# Altium PCB NumPad.PcbDoc (part 2 of 2)
Units mil, origin at the board's own origin, x right, y up, seen from the top; angles counter-clockwise.
Board outline 3157.48 x 3907.56 mil, 2 copper layers (Top Layer, Bottom Layer), stack 61.756 mil thick; 124 components, 83 nets, 462 pads, 233 vias.
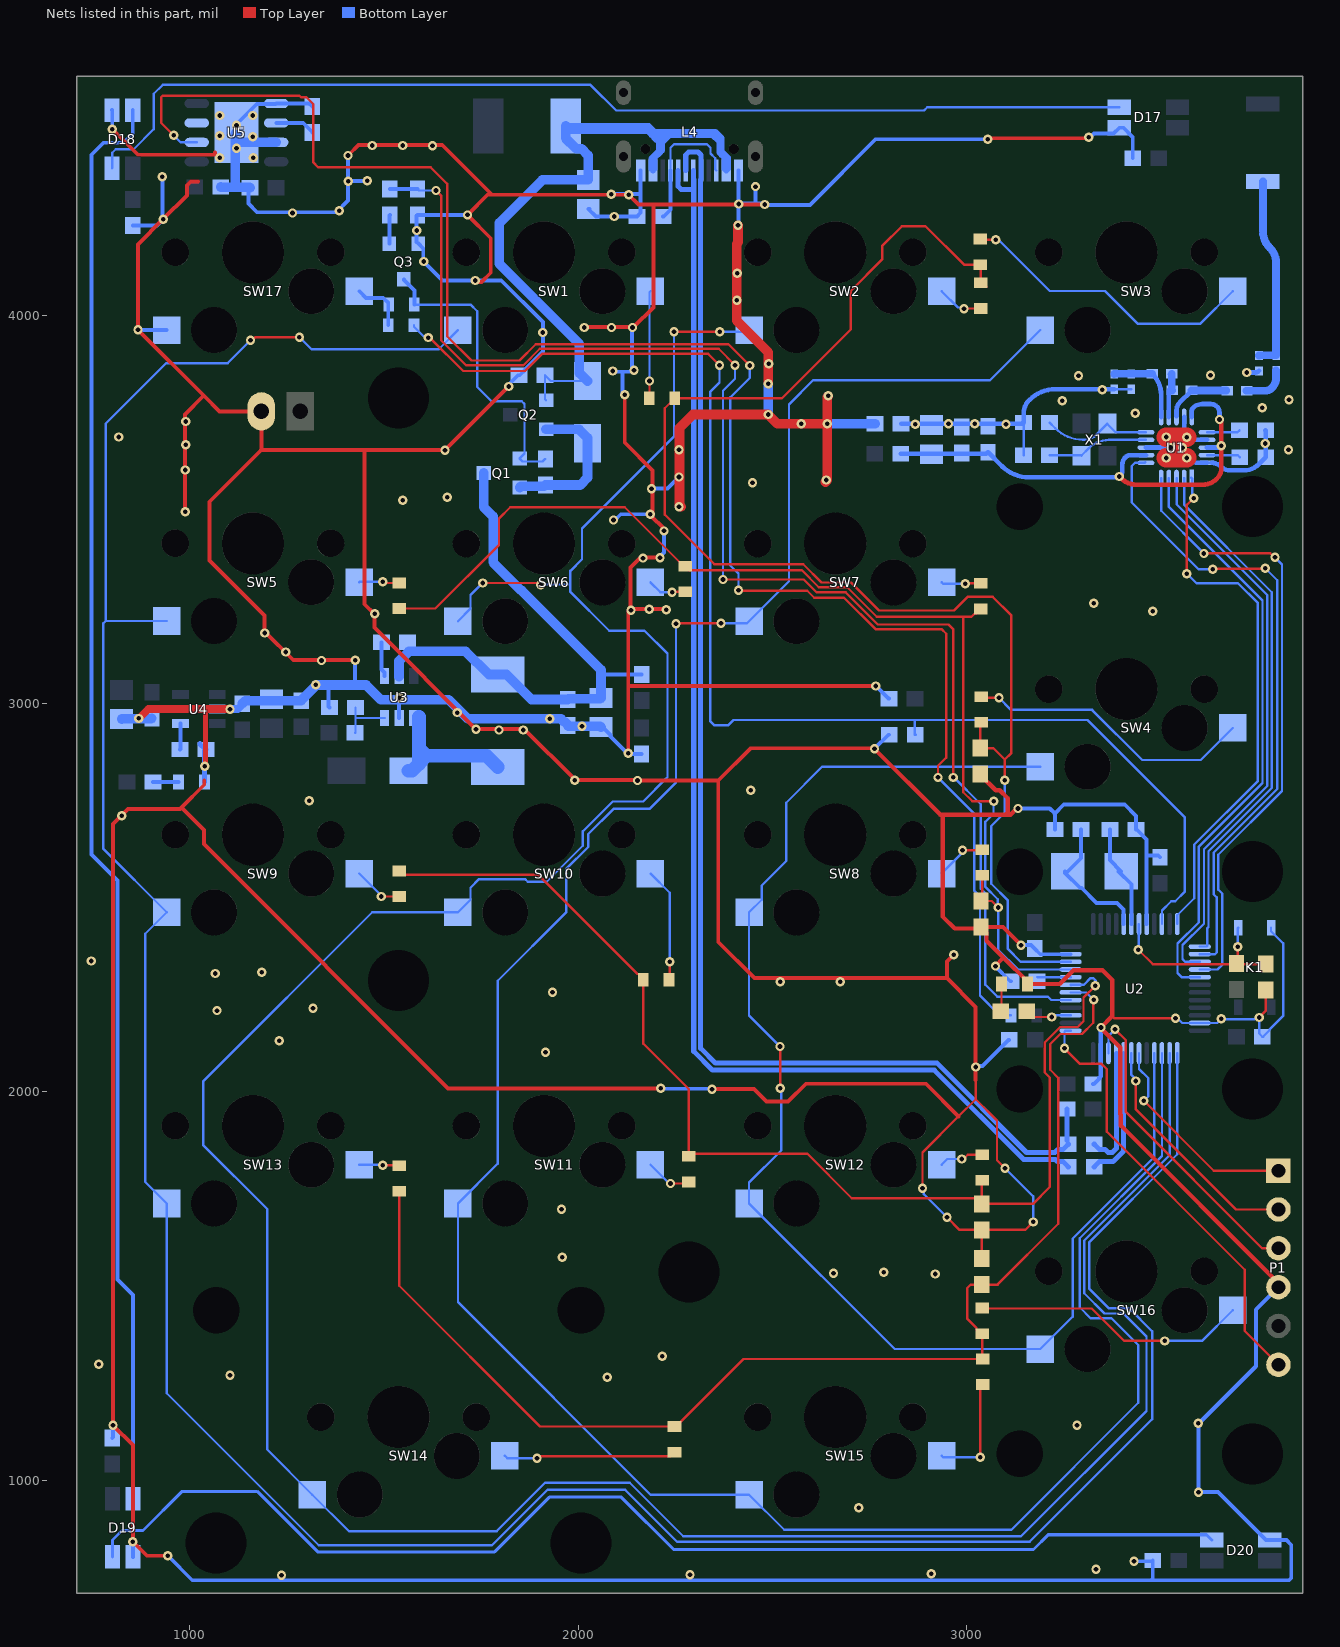
[diagram p2: the nets of this part, all layers, seen from the top]

## Via types
v1: diameter 24, hole 12, Top Layer to Bottom Layer, tented both sides, 231 vias
v2: diameter 36, hole 18, Top Layer to Bottom Layer, tented both sides, 2 vias

## Nets (pads, with @x,y where several pads share a name; then routed paths per layer and width w, separated by ;. In a path a pad name is that pad's centre, name@x,y a point inside that pad or via, vN(x,y) a via of type N, cw(c..) or ccw(c..) an arc to the next point about the centre after c; other vN are vias at no path point) (continued)
GND: C11.1 C12.1 C13.1 C14.1 C15.1 C16.1 C17.1 C18.2 C19.2 C20.1 C21.1 C22.1 C23.1 C24.1 C25.1 C26.1 C27.1 C28.1 C29.1 C30.1 C31.1 C32.2 C33.1 C34.1 C35.2 C36.1 C37.1 C38.1 C39.1 D17.1 D18.1 D19.1 D20.1 K1.4 L4.A1B12 L4.B1A12 P1.4 POWER.2 Q3.2 R3.1 R4.2 R11.1 R12.1 R13.2 R17.1 R19.2 R20.2 SW17.2 SYSTEM.2 U2.8 U2.23 U2.35 U2.47 U3.2 U4.2 U5.1 U5.3 U5.9 XH1.2 | length 32452.1
  Top Layer w6: v1(2887,1752) 2887,1844 2980,1937 3024,1981 ; v1(2950,1677) 2982.46,1644.54 C20.1@3040,1644.54 ; 3024,2031 3024,1981 ; C21.1@3040,1570.46 C20.1@3040,1644.54 ; C20.1@3041,1643.54 C20.1@3040,1644.54 ; v1(3099.66,1803.23) 3079,1823.89 3079,1926 3024,1981 ; v1(3172,1665) 3151.54,1644.54 C20.1@3040,1644.54 ; 3376,2195 3381,2190 v1(3539,2190) ; v1(3754.3,2191.5) 3771,2208.2 C17.1@3771,2262.54
  Top Layer w10: v1(799.95,4480) 865.95,4414 1065,4414 1065,4420 ; v1(943,805) 889,805 v1(853,841) 853,1090 v1(802,1141) 802,2689.87 823.57,2711.43 840.34,2728.21 974.21,2728.21 978.5,2732.5 ; v1@987,3490 987,3745 1035.6,3793.6 ; 1021,4345 1002,4345 992,4335 992,4309 v1(931,4248) 866.24,4183.24 v1(866.24,3962.95) 1035.6,3793.6 ; 1037,2802 1037,2791 978.5,2732.5 ; 1183,3653 1447,3653 ; v1@1409,4412 1409,4414 1434,4439 1650,4439 1778,4311 ; v1(1426,3112) 1266,3112 1192,3186 1192,3227 1050,3369 1050,3520 1184,3654 XH1.2@1184,3753 1076.19,3753 1035.6,3793.6 ; v1(1735,4090) 1739,4086 1751,4086 1775,4110 1775,4199 v1(1715,4259) 1767,4311 1778,4311 ; v1(1821,3817.03) v1(1657,3653) 1447,3653 ; v1@2013,3970 2143,3970 2194,4021 2194,4286 ; v1(2120,3796) 2120,3673 2192,3601 2192,3480 v1@2217,3455 ; v1(2129,2872) 2129,3050 ; v1(2153,2802) 2361,2802 ; v1@2155,2803 1993,2803 1861,2935 1736,2935 1475,3196 1475,3231 1450,3256 1450,3650 1447,3653 ; v1@2212,3375 v1(2211,3376) 2210,3377 2161,3377 2134.86,3350.86 v1@2134.86,3244 ; v1(2213,2009) 1665,2009 1036,2638 1036,2675 978.5,2732.5 ; v1@2229,3244 v1@2134.86,3244 ; v1(2345,2007) 2453,2007 2485,1975 2541,1975 2587,2021 2896,2021 2980,1937 ; v1(2481,4286) 2194,4286 ; v1(2763.59,2883.47) 2762.06,2885 2444,2885 2361,2802 ; v1(2767.01,3045.57) 2133.43,3045.57 2129,3050 ; v1(2967.78,2353.15) 2950,2335.37 2950,2293 ; 3024,2031 v1(3024,2064) 3024,2219 2950,2293 ; C19.2@3038,2424.54 3094.46,2424.54 v1(3141,2378) ; v1(3055,4454) 3057.5,4456.5 3312.5,4456.5 v1(3315,4459) ; v1(3075,2324) 3075,2325 3095.68,2345.68 ; 1778,4311 v1(2130,4311) 2155,4286 2194,4286 ; 2129,3050 2129,3238.14 v1@2134.86,3244 ; 2361,2802 2361,2386 2454,2293 2950,2293
  Top Layer w11: v1(2763.59,2883.47) 2933.06,2714 2939,2714 ; C18.2@3036,2818.54 3036,2816.57 3075.57,2777 3086,2777 3107,2756 3107,2720.44 3100.56,2714 ; v1(3133,2730) 3129.48,2730 3113.48,2714 3100.56,2714 ; P1.4@3804,1497 3804,1507 3398,1913 3398,1940.49 3396.5,1941.99 3396.5,2114.27 3347,2163.77 v1(3347,2166) 3376,2195 3376,2288 3350.56,2313.44 3275.87,2313.44 3240.42,2277.99 SYSTEM.2@3157.46,2277.99 3157.46,2283.9 3095.68,2345.68 3052.19,2389.17 3052.19,2410.35 C19.2@3038,2424.54 3034.46,2421 2970,2421 2939,2452 2939,2714 ; 2939,2714 3100.56,2714
  Top Layer w12: v1(1038,2839) 1040,2841 1040,2986
  Top Layer w20: v1(868,2962) 869.08,2962 893.08,2986 1040,2986 v1(1103,2986)
  Top Layer w25: v1@2265,3507 2261,3511 2261,3710 2296,3745 v1(2490,3745) 2490,3744 2513,3721 v1(2575,3721) v1(2642,3721) ; v1(2412,4232) 2412,4188.33 2408.44,4184.77 2408.44,3986.56 2490,3905 v1(2490,3824) ; v1@2637,3571 2642,3576 v1(2642,3721) ; v1@2644,3792 2642,3790 v1(2642,3721)
  Bottom Layer w6: v1(2887,1752) 2890.44,1748.56 2890.44,1736.56 v1(2950,1677) ; v1(3099.66,1803.23) 3172,1730.89 v1(3172,1665) ; U2.35@3346.42,2099.66 U2.35@3346.71,2099.95 ; v1@3346.71,2165.71 v1(3347,2166) ; v1(3539,2190) 3543.53,2190 3556.12,2177.42 U2.23@3601.34,2177.42 3646.42,2177.42 3656,2187 3741.78,2187 3742.84,2188.05 3750.85,2188.05 v1(3754.3,2191.5) 3754.3,2150.17 C16.1@3762.46,2142 3764.43,2142 3781.12,2158.69 3781.12,2160.65 3816,2195.54 3816,2382.87 3785,2413.87 K1.4@3785,2422.72
  Bottom Layer w10: D18.1@799.43,4528.8 799.95,4528.28 v1(799.95,4480) ; C25.1@800,1108.46 802,1110.46 v1(802,1141) ; v1(853,841) 853,802.77 D19.1@853.57,802.2 ; C23.1@853,4231.54 915.54,4231.54 929,4245 v1(929,4357) v1@926,4360 ; v1(866.24,3962.95) 866.76,3962.43 SW17.2@940.33,3962.43 ; v1(943,805) 1006,742 3476,742 ; U5.9@1120,4471 1120,4492.65 1172.09,4544.74 1221.1,4544.74 U5.1@1222.36,4546 1306.93,4546 R20.2@1315,4537.93 ; C38.1@1154.54,4329 1151,4325.46 1151,4288 1173,4266 1377,4266 1407,4296 v1(1407,4412) ; 1357,3048 1357,2992.54 R17.1@1359.54,2990 ; v1(1408,4346) 1408.5,4346.5 1456.5,4346.5 v1(1457,4347) ; 1425,3048 1425,3111 v1(1426,3112) ; U3.2@1539,2962.87 1539,3006 v1@1543,3010 ; v1(1715,4259) 1586.46,4259 R19.2@1586,4258.54 1585.54,4258.54 1584,4257 v1(1584,4219) 1584,4189.66 Q3.2@1588.4,4185.26 1601.12,4172.54 1601.12,4139.88 v1(1602,4139) 1651,4090 v1(1735,4090) 1802,4090 1909,3983 1909,3907.46 1864.19,3862.65 1864.19,3860.69 1849.5,3846 R13.2@1847.54,3846 1845.57,3846 1823.68,3824.11 1823.68,3819.71 v1(1821,3817.03) ; C26.1@2029.94,4274.6 C26.1@2026,4274.6 2045.6,4255 v1(2093,4255) R11.1@2151.54,4255 2161.09,4264.56 2161.09,4313 ; C29.1@2059,2939.6 2062.94,2939.6 2083.53,2919.01 2083.53,2915.32 2128.31,2870.54 R12.1@2163,2870.54 ; v1(2085,4312) 2086,4313 2161.09,4313 ; v1(2091,3473) 2094.79,3473 2109.79,3488 v1(2186,3488) ; v1@2093,3855 2114,3855 ; v1(2120,3796) 2114,3802 2114,3855 ; v1(2140,3969) 2139,3968 2139,3861 2133,3855 2114,3855 ; L4.A1B12@2161.09,4373.41 2161.09,4313 ; v1(2189,3554) 2230,3554 v1(2260,3584) ; v1(2211,3376) 2211,3379.79 2221,3389.79 v1(2221,3445) ; v1(2213,2009) 2214,2008 2344,2008 v1(2345,2007) ; L4.B1A12@2413.06,4373.41 v1@2413.06,4288 ; v1@2414,4228 2413.06,4228.94 v1@2413.06,4288 ; v1@2454,4339 2457,4336 v1(2457,4332) 2457,4288 ; v1(2481,4286) 2482,4285 v1@2484,4285 ; v1(2763.59,2883.47) 2763.59,2884.02 2799.57,2920 C32.2@2801.54,2920 ; v1(2767.01,3045.57) 2799.58,3013 C27.1@2800.54,3013 ; v1(3024,2064) 3026.68,2066.68 3041.25,2066.68 3108.57,2134 C37.1@3110.54,2134 ; v1(3055,4454) 2766,4454 2597,4285 v1@2484,4285 ; v1(3075,2324) 3075,2323.1 3113.1,2285 R4.2@3115.07,2285 ; v1(3141,2378) 3167,2378 C14.1@3176,2369 3190.42,2354.58 U2.47@3268.66,2354.58 ; C11.1@3228.07,2676 3228,2676.07 3228,2717 3251,2740 3408,2740 3436.93,2711.07 C12.1@3436.93,2676 3438.9,2676 3464.53,2650.37 3464.53,2609 ; v1(3315,4459) 3318.79,4459 3328.53,4468.74 3379.51,4468.74 D17.1@3394.2,4483.43 3404.51,4483.43 3428.54,4459.4 C22.1@3428.54,4405 ; v1(3432,791) 3478.07,791 C24.1@3480.07,793 3480.07,746.07 3476,742 ; U2.8@3464.53,2432.34 3464.53,2609 ; C13.1@3499,2604.46 3494.46,2609 3464.53,2609 ; v1(3598,969) 3648.06,969 3771.49,845.57 D20.1@3781.8,845.57 3824.43,845.57 3837,833 3837,748 3831,742 3476,742 ; v1@2413.06,4288 2457,4288 ; 2457,4288 2481,4288 v1@2484,4285
  Bottom Layer w11: v1(3133,2730) 3215,2730 3228,2717 ; C15.1@3326.46,2020 3328.43,2020 3342.62,2034.19 3342.62,2036.15 3346.42,2039.95 U2.35@3346.42,2099.66 3346.42,2099.93 U2.35@3346.57,2100.09 ; U2.35@3346.71,2099.95 U2.35@3346.57,2100.09 ; v1@3346.71,2165.71 3346.57,2165.57 U2.35@3346.57,2100.09 ; v1(3598,969) 3598,1145 3746,1293 3746,1439 P1.4@3804,1497
  Bottom Layer w12: C36.1@1025.81,2897.65 1025.81,2895.69 1039.5,2882 C36.1@1041.46,2882 1037.46,2877.99 POWER.2@1037.46,2798.01
  Bottom Layer w20: U4.2@1070.24,2986 v1(1103,2986) 1123.04,2986 1135,2997.96 C33.1@1135,2999.93 C33.1@1135,3000.28
  Bottom Layer w25: C34.1@824,2960.6 824.4,2961 900.46,2961 C35.2@902,2962.54 ; C39.1@1079.46,4331 1080.46,4330 1117,4330 ; U5.9@1120,4471 1117,4468 U5.9@1117,4445 ; C33.1@1135,3000.28 1142.19,3007.46 C31.1@1287,3007.46 1287,3009.43 1325.57,3048 1357,3048 1425,3048 1454,3048 1492,3010 1543,3010 1667,3010 1716,2961 1956,2961 1963.85,2953.15 1965.81,2953.15 1973,2945.97 C30.1@1973,2944 1975.2,2941.8 2056.8,2941.8 C29.1@2059,2939.6 ; C38.1@1154.54,4329 1153.54,4330 1117,4330 ; U5.3@1222.36,4446 1118,4446 U5.9@1117,4445 ; v1(2490,3745) v1(2490,3824) ; v1(2642,3721) R3.1@2765.07,3721 ; 1117,4330 U5.9@1117,4445
  other v1: 1236,755 2288,756 2910,759 3334,770 2723,929 3285,1141 3597,1146 2075,1265 1103,1270 765,1298 2217,1319 2920,1531 2658,1533 2787,1535 1959,1574 1957,1698 1916,2102 1230,2132 3657,2188 1069.53,2209.38 1317,2215 1934,2257 2521,2284 2675,2284 1065,2305 1185,2308 746,2337 824,2711 1307,2750 2445,2777 1991,2803 1796,2932 1859,2932 1737,2934 2010,2942 1927,2961 1689,2977 1539,3015 1324,3049 1339,3111 1247,3133 1193,3182 1476,3232 3480,3238 2136,3241 2227,3242 2183,3243 3328,3259 2167,3375 988,3494 2260,3507 1548,3524 1663,3532 2449,3569 2639,3576 988,3602 2260,3654 989,3667 817,3687 989,3727 2644,3793 2089,3857 2144,3859 2491,3876 1909,3956 2016,3969 2086,3969 2409,4039 2410,4109 1264,4264 1385,4270 2414,4287 1077,4406 1163,4406 1120,4431 1625,4437 1470,4438 1548,4438 1162,4460 1077,4463 1120,4490 1077,4515 1162,4515
GPIO_CE_MCU_NRF: U1.1 U2.12 | length 1384.3
  Top Layer w6: v1(3568,3335) 3568,3512 3585.23,3529.23 v1(3585.46,3529.23)
  Bottom Layer w6: U2.12@3543.27,2432.34 3543.27,2454.98 3587,2498.71 3587,2637 3751,2801 3751,3259 3700,3310 3593,3310 v1(3568,3335) ; U1.1@3579.37,3582.26 3582.28,3579.35 3582.28,3532.42 v1(3585.46,3529.23)
GPIO_IRQ_NRF_MCU: U1.6 U2.14 | length 1669.3
  Top Layer w6: v1(3635,3346) 3636.5,3347.5 3768.5,3347.5 v1(3770,3349)
  Bottom Layer w6: U1.6@3461.26,3621.63 3460.15,3620.52 3434.52,3620.52 3426,3612 3426,3518 3598,3346 v1(3635,3346) ; U2.14@3601.34,2354.58 3640.58,2354.58 3645,2359 3645,2501 3637,2509 3637,2616 3801,2780 3801,3318 v1(3770,3349)
GPIO_MCU_LED: R6.2 U2.39 | length 123.4
  Top Layer w6: R6.2@3155.46,2208 3170.46,2193 v1(3220,2193)
  Bottom Layer w6: v1@3216,2197.1 U2.39@3268.66,2197.1
Green: D25.K U5.6 | length 4612.8
  Top Layer w6: v1(958,4464) 926,4496 926,4562.49 929.51,4566 1281.97,4566 1285.97,4562 1300,4562 1318,4544 1318,4394 1330,4382 1620,4382 1663,4339 1663,3946 1725,3884 1849,3884 1891,3926 2387,3926 v1(2442,3871) ; v1@2413.23,3291 2590,3291 2608,3273 2685,3273 2766,3192 2936,3192 2948,3180 2948,2861 2927,2840 v1(2927,2810)
  Bottom Layer w6: v1(958,4464) 976,4446 U5.6@1017.64,4446 ; v1(2413,3292) 2413,3335 2392,3356 2392,3789 2442,3839 v1(2442,3871) ; v1(2927,2810) 3020,2717 3020,2519 3035,2504 3035,2248 3086,2197 D25.K@3115,2197
IN1_KEYPAD_MCU: C21.2 D13.K D14.K D15.K D16.K U2.42 | length 3210.5
  Top Layer w6: D13.K@1539.27,1744 1539.27,1500.73 1902,1138 D14.K@2248,1138 2251.94,1138 2425.94,1312 D15.K@3042,1312 D15.K@3041,1313 ; D15.K@3040,1314 D15.K@3041,1313 ; C21.2@3040,1501.57 C21.2@3040,1503.54 ; C21.2@3040,1505.5 C21.2@3040,1503.54 ; v1(3328,2237) 3327,2236 3327,2178 3298,2149 3242,2149 3216,2123 3216,2057 3237,2036 3237,1660 3080.54,1503.54 C21.2@3040,1503.54 ; C21.2@3040,1503.54 3011.54,1503.54 3002,1494 3002,1416 3026.28,1391.72 3026.28,1387.78 3037.06,1377 D16.K@3041,1377 D15.K@3041,1313
  Bottom Layer w6: U2.42@3268.66,2256.16 3308.84,2256.16 v1(3328,2237)
IN2_KEYPAD_MCU: C20.2 D9.K D10.K D11.K D12.K U2.43 | length 3012.2
  Top Layer w6: D9.K@1539,2569 1549,2559 1898,2559 2153.28,2303.72 2157.22,2303.72 2168,2292.94 D10.K@2168,2289 2168,2124 2285,2007 D11.K@2285,1834 2292,1841 2590,1841 2705,1726 3025.46,1726 C20.2@3040,1711.46 ; D12.K@3041,1772 3040,1771 C20.2@3040,1711.46 ; v1(3332,2273) 3302,2243 3302,2182 3287,2167 3242,2167 3202,2127 3202,2050 3215,2037 3215,1755 3171.46,1711.46 C20.2@3040,1711.46
  Bottom Layer w6: U2.43@3269.77,2274.73 U2.43@3268.66,2275.84 3302.84,2275.84 3320,2293 3327,2293 3333,2287 3333,2274 v1(3332,2273) v1@3330.27,2274.73
IN3_KEYPAD_MCU: C19.1 D5.K D6.K D7.K D8.K U2.45 | length 3057.3
  Top Layer w6: D5.K@1539,3245 1632,3245 1796,3409 1796,3477 1825,3506 2120.06,3506 2272.06,3354 D6.K@2276,3354 2286,3344 2576,3344 2620,3300 2693,3300 2769,3224 2991,3224 ; D7.K@3026.49,3233.22 3035.3,3242.03 D7.K@3037.27,3244 3033.33,3244 3024.52,3235.19 3013.33,3224 2991,3224 ; D8.K@3041.27,2558 3041.27,2494.73 C19.1@3038,2491.46 3065.54,2491.46 v1(3082,2475) ; v1(3071,2749) 3015,2749 2992,2772 2992,3223 2991,3224
  Bottom Layer w6: v1@3070,2747 3070,2717 3049,2696 3049,2528 3081,2496 3081,2476 v1(3082,2475) 3082,2366 3132.79,2315.21 U2.45@3268.66,2315.21
IN4_KEYPAD_MCU: C18.1 D1.K D2.K D3.K D4.K U2.46 | length 3713.5
  Top Layer w6: D4.K@3038.27,2952 3036,2949.73 C18.1@3036,2885.46 3069.54,2885.46 3099,2856 ; D2.K@3051.72,4073.22 3040.94,4084 D2.K@3037,4084 3037,4130 D3.K@3036,4131 2994,4131 2895,4230 2834,4230 2783,4179 2783,4144 2702,4063 2702,3964 2525,3787 D1.K@2249,3787 2223,3761 2223,3487 2351,3359 2580,3359 2627,3312 2703,3312 2775,3240 2968,3240 3003,3275 3068,3275 3116,3227 3116,2873 3099,2856 ; v1(3099,2803) 3099,2856
  Bottom Layer w6: v1(3099,2803) 3099,2720 3064,2685 3064,2536 3107,2493 3107,2368 3140.1,2334.9 U2.46@3268.66,2334.9
NetC1_2: C1.2 U1.19 | length 86.5
  Bottom Layer w6: U1.19@3620.11,3640.06 3699.48,3640.06 C1.2@3704.54,3635
NetC2_1: C2.1 L1.2 | length 117
  Bottom Layer w6: L1.2@3722,3806 ccw(c3722,3808.41) L1.2@3723.71,3806.71
  Bottom Layer w20: L1.2@3722,3806 3770.1,3806 ccw(c3770.1,3829.9) 3787,3813 ccw(c3760.44,3839.56) 3798,3839.56 C2.1@3798,3858.32
NetC2_2: C2.2 C3.2 E1.1 | length 500.7
  Bottom Layer w20: C3.2@3754,3896.69 cw(c3756.42,3894.27) 3756.42,3897.69 C2.2@3798,3897.69 3798,4135.36 ccw(c3743.36,4135.36) 3782,4174 cw(c3825.46,4217.46) 3764,4217.46 E1.1@3764,4345
NetC7_2: C7.2 C8.2 L3.2 U1.11 | length 217.5
  Bottom Layer w6: L3.2@3477.48,3849.37 ccw(c3477.48,3851.52) L3.2@3479,3850
  Bottom Layer w12: L3.2@3479,3850 cw(c3423.47,3794.47) 3502,3794.47 U1.11@3502,3738.48
  Bottom Layer w20: C8.2@3381,3849.37 cw(c3382.52,3847.85) 3382.52,3850 L3.2@3479,3850
NetC9_2: C9.2 U1.9 X1.1 | length 262.6
  Bottom Layer w6: C9.2@3214.46,3640 3293.3,3640 cw(c3293.3,3635.43) X1.1@3296.54,3638.66 cw(c3298.65,3638.66) 3297.15,3640.15 3314.66,3657.66 cw(c3367.17,3605.2) 3367.17,3679.43 ; 3367.22,3679.43 U1.9@3462.63,3679.43
NetC10_2: C10.2 U1.10 X1.3 | length 287.6
  Bottom Layer w6: C10.2@3214.46,3724 3229.18,3709.29 ccw(c3299.89,3780) 3299.89,3680 3305,3680 ccw(c3305,3721.35) 3334.24,3692.11 X1.3@3363.46,3721.34 3363.46,3719.73 3384.09,3699.11 U1.10@3462.63,3699.11
NetC36_2: C36.2 U4.4 | length 67.1
  Bottom Layer w10: C36.2@974.54,2882 975.76,2883.22 U4.4@975.76,2948.6
NetD1_A: D1.A SW1.1 | length 276.8
  Top Layer w6: D1.A@2183,3787 2184,3788 v1(2184,3831)
  Bottom Layer w6: v1(2184,3831) 2184,4060.06 SW1.1@2186.37,4062.43
NetD2_A: D2.A SW2.1 | length 119.8
  Top Layer w6: v1(2993.81,4017.1) 2994.71,4018 D2.A@3037,4018
  Bottom Layer w6: SW2.1@2936.37,4062.43 2978.26,4020.55 2990.36,4020.55 v1(2993.81,4017.1)
NetD3_A: D3.A SW3.1 | length 775.2
  Top Layer w6: D3.A@3036,4197 3037.73,4195.27 v1(3075.67,4195.27)
  Bottom Layer w6: v1(3075.67,4195.27) 3082.73,4195.27 3215,4063 3357,4063 3441,3979 3602.94,3979 SW3.1@3686.37,4062.43
NetD4_A: D4.A SW4.1 | length 749.8
  Top Layer w6: D4.A@3038.27,3018 3041.27,3015 v1(3084,3015)
  Bottom Layer w6: v1(3084,3015) 3115,2984 3324,2984 3453,2855 3603.94,2855 SW4.1@3686.37,2937.43
NetD5_A: D5.A SW5.1 | length 104.6
  Top Layer w6: v1(1497,3314) 1500,3311 D5.A@1539,3311
  Bottom Layer w6: SW5.1@1436.11,3312.93 1437.19,3314 v1(1497,3314)
NetD6_A: D6.A SW6.1 | length 100.6
  Top Layer w6: v1(2242,3287) 2243,3288 D6.A@2276,3288
  Bottom Layer w6: SW6.1@2186.37,3312.43 2211.8,3287 v1(2242,3287)
NetD7_A: D7.A SW7.1 | length 102.7
  Top Layer w6: v1(2997,3309) 2998,3310 D7.A@3037.27,3310
  Bottom Layer w6: SW7.1@2936.37,3312.43 2939.8,3309 v1(2997,3309)
NetD8_A: D8.A SW8.1 | length 133.9
  Top Layer w6: v1(2990,2622) 3039.27,2622 D8.A@3041.27,2624
  Bottom Layer w6: SW8.1@2936.37,2562.43 2986.56,2612.61 2986.56,2618.56 v1(2990,2622)
NetD9_A: D9.A SW9.1 | length 129
  Top Layer w6: v1(1492.61,2503.27) 1538.73,2503.27 D9.A@1539,2503
  Bottom Layer w6: SW9.1@1436.37,2562.43 1492.61,2506.19 v1(1492.61,2503.27)
NetD10_A: D10.A SW10.1 | length 294.8
  Top Layer w6: D10.A@2234,2289 2236,2291 v1(2236,2335)
  Bottom Layer w6: SW10.1@2186.37,2562.43 2236,2512.8 v1(2236,2335)
NetD11_A: D11.A SW11.1 | length 120.3
  Top Layer w6: v1(2238,1764) 2281,1764 D11.A@2285,1768
  Bottom Layer w6: SW11.1@2186.37,1812.42 2234.8,1764 v1(2238,1764)
NetD12_A: D12.A SW12.1 | length 115.2
  Top Layer w6: v1(2987.84,1826.87) 2992.71,1826.87 3003.84,1838 D12.A@3041,1838
  Bottom Layer w6: SW12.1@2936.37,1812.42 2950.82,1826.87 v1(2987.84,1826.87)
NetD13_A: D13.A SW13.1 | length 103.9
  Top Layer w6: v1(1496.96,1810.72) 1538.54,1810.72 D13.A@1539.27,1810
  Bottom Layer w6: SW13.1@1436.37,1812.43 1495.26,1812.43 v1(1496.96,1810.72)
NetD14_A: D14.A SW14.1 | length 445.9
  Top Layer w6: v1(1894,1056) 1898.87,1056 1904.09,1061.22 2237.22,1061.22 D14.A@2248,1072
  Bottom Layer w6: SW14.1@1811.38,1062.43 1817.8,1056 v1(1894,1056)
NetD15_A: D15.A SW15.1 | length 290.5
  Top Layer w6: v1(3036,1059) 3036,1240 D15.A@3042,1246
  Bottom Layer w6: SW15.1@2936.37,1062.43 2939.8,1059 v1(3036,1059)
NetD16_A: D16.A SW16.1 | length 713.1
  Top Layer w6: D16.A@3041,1443 3042,1442 3323,1442 3406.55,1358.45 v1(3510.94,1358.45)
  Bottom Layer w6: v1(3510.94,1358.45) 3607.4,1358.45 SW16.1@3686.37,1437.42
NetD17_2: D17.2 D18.4 | length 2790.9
  Bottom Layer w6: D18.4@799.43,4379.2 800,4379.77 800,4419 809,4428 855,4428 907,4480 907,4571 930,4594 2032,4594 2098,4528 2890.81,4528 2899.39,4536.57 D17.2@3394.2,4536.57
NetD18_2: D18.2 D19.4 | length 3696.2
  Bottom Layer w10: D18.2@852.57,4528.8 852.57,4468.57 829,4445 777,4445 746,4414 746,2611 813,2544 813,1517 853.57,1476.43 D19.4@853.57,951.8
NetD19_2: D19.2 D20.4 | length 3127.3
  Bottom Layer w8: D19.2@800.43,802.2 800.43,845.43 825,870 879,870 980,971 1173,971 1329,815 1785,815 1926,956 2111,956 2246,821 3173,821 3211,859 3618.77,859 D20.4@3632.2,845.57
NetD21_A: D21.A L5.1 U3.1 | length 423.1
  Bottom Layer w35: D21.A@1563,2827 1572.03,2827 1588.97,2843.95 1588.97,2844.97 D21.A@1590,2846 ; D21.A@1590,2843.95 D21.A@1590,2846 ; 1590,2900 1590,2885.33 ; 1590,2966 1590,2885.33 ; L5.1@1793,2836.91 1764.24,2865.67 1609.67,2865.67 ; D21.A@1590,2846 1590,2885.33 ; D21.A@1590,2846 1609.67,2865.67 ; 1590,2885.33 1609.67,2865.67
NetD22_K: D22.K Q1.2 Q2.2 R16.1 | length 445.4
  Bottom Layer w10: D22.K@1994.55,3706.6 2024,3677.15 D22.K@2024,3671
  Bottom Layer w25: Q1.2@1849.26,3556.6 1852.73,3560.07 1912.53,3560.07 R16.1@1916,3563.54 2005.54,3563.54 2024,3582 D22.K@2024,3671 ; Q2.2@1917.26,3706.6 1994.55,3706.6 2002.05,3706.6 2024,3684.65 D22.K@2024,3677.15
NetD23_K: D23.K D24.K SW17.1 | length 144.2
  Bottom Layer w10: SW17.1@1436.38,4062.43 1453.81,4045 1498,4045 1511,4032 D23.K@1511,3975
NetD24_A: D24.A Q1.1 Q3.3 R16.2 | length 798.6
  Bottom Layer w6: D24.A@1578,4028 1723,4028 1740,4011 1740,3816 1777,3779 1855,3779 1862,3772 1862,3644.14 Q1.1@1849.26,3631.4 1856.66,3624 1908,3624 1914.46,3630.46 R16.2@1916,3630.46
  Bottom Layer w10: Q3.3@1551,4092.74 1551,4091.76 1578,4064.76 D24.A@1578,4028
NetL1_1: L1.1 L2.2 U1.13 | length 175.4
  Bottom Layer w6: U1.13@3541.37,3738.48 U1.13@3541.37,3740.37 ; L1.1@3669.59,3807 cw(c3669.59,3803.59) L1.1@3672,3806
  Bottom Layer w12: U1.13@3541.37,3740.37 3541.37,3755.17 cw(c3570.83,3755.17) 3550,3776 3579.29,3805.29 ccw(c3577.59,3807) L2.2@3580,3807
  Bottom Layer w20: L2.2@3580,3807 L1.1@3669.59,3807
NetL2_1: L2.1 L3.1 U1.12 | length 118.6
  Bottom Layer w12: U1.12@3521.69,3738.48 3521.69,3807.69 L2.1@3525,3811 ; L3.1@3524,3849 L3.1@3525,3848
  Bottom Layer w20: L3.1@3529,3850 3529,3809.41 ccw(c3532.41,3809.41) L2.1@3530,3807
NetL4_A5: L4.A5 L4.B5 R11.2 | length 361.5
  Bottom Layer w6: L4.A5@2237.87,4373.41 2237.87,4431.87 2247,4441 2332,4441 2341,4432 2341,4417 2353.07,4404.93 2353.07,4376.31 L4.B5@2355.98,4373.41
  Bottom Layer w10: R11.2@2218.46,4255 2220.43,4255 2237.87,4272.43 L4.A5@2237.87,4373.41
NetPINK1_1: R6.1 SYSTEM.1 | length 70.8
  Top Layer w6: R6.1@3088.54,2208 3090.53,2209.99 SYSTEM.1@3090.53,2277.99
NetQ3_1: Q3.1 R18.2 | length 73.9
  Bottom Layer w10: Q3.1@1513.6,4185.26 1513.6,4257.13 R18.2@1515,4258.54
NetR1_2: R1.2 U1.16 | length 85.5
  Bottom Layer w6: U1.16@3620.11,3699.11 3698.65,3699.11 R1.2@3703.54,3704
NetR4_1: R4.1 U2.44 | length 85.9
  Bottom Layer w6: R4.1@3183,2296 3183.47,2295.53 U2.44@3268.66,2295.53
NetR14_2: R14.2 U3.4 | length 90.2
  Bottom Layer w10: R14.2@1493.54,3158 1493.54,3088.06 1501.6,3079.99 U3.4@1501.6,3071.13
NetR15_1: R15.1 R17.2 U3.3 | length 140.9
  Bottom Layer w6: R15.1@1425.46,2925 1426.46,2926 1426.46,2962 ; R17.2@1426.46,2990 1426.46,2962 ; U3.3@1501.6,2962.87 1427.33,2962.87 1426.46,2962
NetR20_1: R20.1 U5.2 | length 104.1
  Bottom Layer w10: U5.2@1222.36,4496 1291.97,4496 1315,4472.97 R20.1@1315,4471
NetR22_1: POWER.1 R22.1 | length 65.5
  Bottom Layer w10: R22.1@905,2798 POWER.1@970.53,2798.01
NRST_MCU_KEY: C17.2 K1.3 R5.1 U2.7 | length 504.7
  Top Layer w6: v1(3443,2366) 3480.54,2328.46 C17.2@3771,2328.46 ; R5.1@3696,2330.46 3699,2333.46 v1(3699,2374)
  Bottom Layer w6: v1(3443,2366) 3443.92,2366.92 3443.92,2431.42 U2.7@3444.84,2432.34 ; v1(3699,2374) 3699,2421.37 K1.3@3700.35,2422.72
ONOFF_DECTECT_KEY_MCU: C32.1 D23.A U2.10 | length 3477.7
  Top Layer w6: v1(1614,3943) 1616,3941 1620,3941 1704,3857 1863,3857 1907,3901 2335,3901 v1(2364,3872)
  Bottom Layer w6: D23.A@1577,3975 1577,3971.06 1601.62,3946.44 1610.56,3946.44 v1(1614,3943) ; v1(2364,3872) 2364,3827 2340,3803 2340,2955 2351,2944 2386,2944 2400,2958 2867.48,2958 ; C32.1@2867.48,2920 2867.48,2958 ; C32.1@2868.46,2920 C32.1@2870.43,2920 ; U2.10@3503.9,2432.34 3503.9,2466.9 3528,2491 3538,2491 3563,2516 3563,2707.03 3312.03,2958 2867.48,2958
OSC_MCU_XTAL: C12.2 U2.6 X2.1 | length 269.4
  Bottom Layer w10: C12.2@3370,2676 3370,2596.9 X2.1@3398.9,2568 ; X2.1@3391.9,2568 3425.16,2534.74 U2.6@3425.16,2432.34
OSC_XTAL_MCU: C11.2 U2.5 X2.2 | length 353.7
  Bottom Layer w10: X2.2@3254.1,2568 3254.1,2564.06 3292.41,2525.76 3296.35,2525.76 3335.1,2487 3388,2487 3405.13,2469.87 3405.13,2432.68 U2.5@3405.47,2432.34 ; X2.2@3261.1,2568 3295,2601.9 C11.2@3295,2676
OUT1_MCU_KEYPAD: SW1.2 SW5.2 SW9.2 SW13.2 U2.25 | length 7884.8
  Top Layer w6: v1(1156,3936) 1160.51,3936 1168.51,3944 v1(1282,3944)
  Bottom Layer w6: SW5.2@940.07,3212.93 782.93,3212.93 ; v1(1156,3936) 1097,3877 938.5,3877 782.93,3721.43 782.93,3212.93 ; v1(1282,3944) 1313,3913 1640.89,3913 SW1.2@1690.33,3962.43 ; U2.25@3543.27,2099.66 3543.27,1839.27 3317,1613 3317,1492 3366,1443 3419,1443 3479,1383 3479,1157 3163,841 2255,841 2121,975 1921,975 1778,832 1332,832 940.32,1223.68 SW13.2@940.32,1712.43 885,1767.75 885,2407.11 SW9.2@940.32,2462.43 777,2625.75 777,3207 782.93,3212.93
OUT2_MCU_KEYPAD: SW2.2 SW6.2 SW10.2 SW14.2 U2.26 | length 8248.9
  Top Layer w6: v1(1754,3311) 1899,3311 v1(1904,3306) ; v1(2247,3958) v1(2365,3958)
  Bottom Layer w6: SW6.2@1690.33,3212.43 1722.76,3244.86 1722.76,3279.76 v1(1754,3311) ; v1(1904,3306) 1905,3307 1980,3307 ; v1(2247,3958) 2247,3688 2010,3451 2010,3372 1980,3342 1980,3307 ; v1(2365,3958) 2435.89,3958 SW2.2@2440.33,3962.43 ; U2.26@3523.58,2099.66 3523.58,1836.58 3304,1617 3304,1481 3356,1429 3405,1429 3464,1370 3464,1178 3141,855 2271,855 2133,993 1915,993 1790,868 1409.75,868 SW14.2@1315.33,962.43 1199,1078.75 1199,1698 1034,1863 1034,2027 1469.43,2462.43 SW10.2@1690.33,2462.43 1722.76,2494.86 1722.76,2525.76 1745,2548 1863,2548 1870,2541 1919,2541 2012,2634 2012,2671 2089,2748 2167.49,2748 2226.49,2807 2230,2810.51 2230,3129 2171,3188 2080,3188 1980,3288 1980,3307
OUT3_MCU_KEYPAD: SW3.2 SW7.2 SW11.2 SW15.2 U2.27 | length 6766.9
  Top Layer w6: v1(2252,3206) 2253,3207 v1(2368,3207)
  Bottom Layer w6: v1(2252,3206) 2252,2797 2184,2729 2091,2729 2026,2664 2026,2631.03 1969,2574.03 1969,2462 1793,2286 1793,1815.1 SW11.2@1690.33,1712.42 1690.33,1458.67 2186.57,962.43 SW15.2@2440.33,962.43 2530.75,872 3116,872 3443,1199 3443,1348 3374,1417 3320,1417 3292,1445 3292,1623 3503.9,1834.9 U2.27@3503.9,2099.66 ; v1(2368,3207) 2434.89,3207 SW7.2@2440.33,3212.43 2543,3315.11 2543,3771 2605,3833 3060.89,3833 SW3.2@3190.33,3962.43
OUT4_MCU_KEYPAD: SW4.2 SW8.2 SW12.2 SW16.2 U2.28 | length 3622.6
  Top Layer w6: v1(2520,2117) 2520.23,2116.77 2520.23,2009.78 v1(2520.45,2009.55)
  Bottom Layer w6: v1(2520,2117) 2440.33,2196.67 SW8.2@2440.33,2462.43 2472.76,2494.86 2472.76,2531.76 2536,2595 2536,2745 2628.43,2837.43 SW4.2@3190.33,2837.43 ; v1(2520.45,2009.55) 2523,2007.01 2523,1849 2440.33,1766.33 SW12.2@2440.33,1712.42 2815.33,1337.42 SW16.2@3190.33,1337.42 3274,1421.1 3274,1622 3484.21,1832.21 U2.28@3484.21,2099.66
PWR_ONOFF_MCU_SW: R18.1 R19.1 U2.41 | length 3727.4
  Top Layer w6: v1(1633.8,4321.86) 1647,4308.66 1647,3936 1711,3872 1859,3872 1901,3914 2362,3914 v1(2404,3872) ; v1@2374,3320 2581,3320 2614,3287 2689,3287 2772,3204 2954,3204 2966,3192 v1(2966,2810)
  Bottom Layer w6: R19.1@1586,4325.46 1589.6,4321.86 v1(1633.8,4321.86) ; v1(2373,3320) 2373,3806 2404,3837 v1(2404,3872) ; v1(2966,2810) 2968,2810 3037,2741 3037,2523 3049,2511 3049,2276 3080,2245 3210,2245 3218.53,2236.47 U2.41@3268.66,2236.47
  Bottom Layer w10: R18.1@1515,4325.46 R19.1@1586,4325.46
Red: U5.7
RF_3V3: C4.1 C5.2 C6.2 R2.2 U1.7 U1.15 U1.18 | length 1279.4
  Top Layer w12: v1(3393.7,3585.03) 3397.57,3581.16 ccw(c3439,3622.59) 3439,3564 3608.79,3564 ccw(c3608.79,3615.21) 3645,3579 ccw(c3616.03,3607.97) 3657,3607.97 v1(3657,3664) 3657,3719.93 ccw(c3639.93,3719.93) v1(3652,3732)
  Bottom Layer w12: R2.2@2831,3644 3047.46,3644 ccw(c3047.46,3656.07) C5.2@3056,3647.54 3091.25,3612.29 ccw(c3161.96,3683) 3161.96,3583 3384.93,3583 ccw(c3384.93,3600.07) 3397,3588 ccw(c3384.93,3600.07) 3402,3600.07 3402,3615.69 cw(c3429.31,3615.69) 3410,3635 cw(c3422.2,3622.8) 3422.2,3640.06 U1.7@3462.63,3640.06 ; U1.15@3580.74,3738.48 U1.15@3580.74,3754.13 ; U1.15@3580.74,3755.74 U1.15@3580.74,3754.13 ; U1.18@3620.11,3659.74 3646.72,3659.74 ccw(c3646.72,3674.28) v1(3657,3664) ; v1(3652,3732) 3652,3750.51 ccw(c3631.51,3750.51) 3646,3765 ccw(c3629.1,3748.1) 3629.1,3772 3608.14,3772 ccw(c3608.14,3737.86) 3584,3762 ccw(c3591.87,3754.13) U1.15@3580.74,3754.13
RF_GND: C1.1 C3.1 C4.2 C5.1 C6.1 C7.1 C8.1 C9.1 C10.1 R1.1 R3.2 U1.8 U1.14 U1.17 U1.20 U1.21 | length 1509.2
  Top Layer w12: v1(3526,3660) ccw(c3528.41,3662.41) 3528.41,3659 v1(3557,3659)
  Top Layer w50: v1(3515,3633) v1(3568,3633) ; v1(3515,3687) ccw(c3517.41,3689.41) 3517.41,3686 v1(3568,3686)
  Bottom Layer w6: C9.1@3147.54,3640 C10.1@3147.54,3724 ; C8.1@3381,3810 C7.1@3425,3810 ; v1@3566.94,3643.06 3558.06,3643.06 U1.21@3541.37,3659.74 ; U1.20@3620.11,3620.37 U1.20@3631.96,3620.37 ; C1.1@3770.46,3637.41 ccw(c3773.88,3637.41) C1.1@3771.46,3635 ; R1.1@3770.46,3704 R1.1@3770.46,3704.46 ; U1.21@3541.37,3659.74 3561.06,3679.43 3561.06,3676.94 3563.51,3674.49 3563.51,3671.01 3561.05,3668.54 3552.25,3659.74 U1.21@3541.37,3659.74
  Bottom Layer w12: R3.2@2832,3721 3140.29,3721 ccw(c3140.29,3731.24) C10.1@3147.54,3724 3147.54,3747.08 cw(c3196.92,3747.08) 3162,3782 cw(c3229.6,3714.4) 3229.6,3810 C8.1@3381,3810 ; U1.8@3462.63,3659.74 3525.74,3659.74 v1(3526,3660) ; 3549,3681 ccw(c3552.8,3684.8) 3552.8,3679.43 U1.21@3561.06,3679.43 ; v1(3557,3659) ccw(c3547.21,3668.79) 3561.05,3668.54 ccw(c3547.21,3668.79) 3561.06,3668.79 U1.21@3561.06,3676.94 ; U1.14@3561.06,3738.48 U1.21@3561.06,3679.43 ; v1(3568,3633) ccw(c3598.49,3663.49) 3598.49,3620.37 U1.20@3620.11,3620.37 ; U1.17@3620.11,3679.43 U1.21@3561.06,3679.43 ; U1.20@3631.96,3620.37 cw(c3631.96,3584.96) 3657,3610 ccw(c3678.73,3631.73) 3678.73,3601 3715,3601 ccw(c3715,3655.23) 3753.35,3616.88 C1.1@3771.46,3635 3771.46,3701.59 ccw(c3768.05,3701.59) R1.1@3770.46,3704 ; v1(3722,3853) 3743.58,3853 ccw(c3743.58,3867.74) C3.1@3754,3857.32
  other v1: 3830,3654 3770,3670 2868,3720 3102,3720 2954,3721 3022,3721 3435,3748 3762,3762 3247,3780 3831,3783 3350,3809 3289,3845 3629,3846
SPI_CSN_MCU_NRF: U1.2 U2.13 | length 1387.2
  Bottom Layer w6: U1.2@3561.06,3581 3561,3580.94 3561,3513 3787,3287 3787,2783 3624,2620 3624,2424.93 3620.98,2421.91 3620.98,2376.95 3618.29,2374.27 U2.13@3601.34,2374.27
SPI_MISO_NRF_MCU: U1.5 U2.16 | length 1619.2
  Top Layer w6: v1(3612,3387) 3612.5,3387.5 3782.49,3387.5 3792.99,3377 v1(3795,3377)
  Bottom Layer w6: U1.5@3502,3581 3502,3497 v1(3612,3387) ; U2.16@3601.34,2315.21 3647.21,2315.21 3659,2327 3659,2511 3649,2521 3649,2611 3813,2775 3813,3358.49 3795,3376.49 v1(3795,3377)
SPI_MOSI_MCU_NRF: U1.4 U2.17 | length 1527.9
  Bottom Layer w6: U1.4@3521.69,3581 3521,3580.31 3521,3508 3763,3266 3763,2796 3599,2632 3599,2437 3544,2382 3544,2306 3554.47,2295.53 U2.17@3601.34,2295.53
SPI_SCK_MCU_NRF: U1.3 U2.15 | length 1473.4
  Bottom Layer w6: U1.3@3541.37,3581 3542,3580.37 3542,3513 3775,3280 3775,2788 3612,2625 3612,2433.03 3557,2378.03 3557,2342 3564.1,2334.9 U2.15@3601.34,2334.9
SWCLK_MCU_HEADER: P1.6 U2.37 | length 1135.3
  Top Layer w6: v1(3253,2112) 3293,2072 3348,2072 3362,2058 3362,1897 3717,1542 3717,1384 P1.6@3804,1297
  Bottom Layer w6: v1(3253,2112) 3253,2155.05 3255.68,2157.73 U2.37@3268.66,2157.73
SWDIO_MCU_HEADER: P1.3 U2.34 | length 831.3
  Top Layer w6: v1(3383,2161) 3411,2133 3411,1948 3762,1597 P1.3@3804,1597
  Bottom Layer w6: U2.34@3366.1,2099.66 3366.1,2144.1 v1(3383,2161)
UART_RX_HEADER_MCU: P1.2 U2.31 | length 623.4
  Top Layer w6: v1(3436,2028) 3436,1956 3695,1697 P1.2@3804,1697
  Bottom Layer w6: U2.31@3425.16,2099.66 3425.16,2043.71 3436,2032.87 v1(3436,2028)
UART_TX_MCU_HEADER: P1.1 U2.30 | length 558.6
  Top Layer w6: v1(3457.41,1976.98) 3637.4,1797 P1.1@3804,1797
  Bottom Layer w6: U2.30@3444.84,2099.66 3444.84,2059.16 3469,2035 3469,1988.57 v1(3457.41,1976.98)
USB_IN: C26.2 D22.A L4.A4B9 L4.B4A9 Q2.1 R13.1 R21.1 | length 2387.2
  Bottom Layer w6: Q2.1@1917.26,3781.4 1914.46,3784.2 R13.1@1914.46,3846 1929.46,3831 D22.A@2024,3831
  Bottom Layer w15: C26.2@2022.06,4349.4 C26.2@2026,4349.4 ; 2216,4454 2200,4454 ; 2373,4419 2381.76,4410.24 2385.88,4406.12 2385.88,4377.72 L4.B4A9@2381.57,4373.41 2377.26,4377.72 2377.26,4405.74 2369.7,4413.3 ; 2189,4465 2179,4475 1981,4475 R21.1@1968,4488 2182,4488 2197,4473 ; 2189,4465 2200,4454 ; 2189,4465 2205,4465 ; 2196.9,4406 2211.45,4420.55 2216,4425.1 2216,4445 2220.5,4449.5 2236,4465 ; 2196.9,4406 2196.9,4377.72 L4.A4B9@2192.59,4373.41 2188.28,4377.72 2188.28,4404.28 2196.9,4412.9 ; 2196.9,4406 2196.9,4412.9 ; 2196.9,4412.9 2208,4424 2208,4446 2200,4454 ; 2197,4473 2238.5,4473 2354,4473 2369.7,4457.3 2369.7,4448 2369.7,4419.5 2369.7,4413.3 ; 2197,4473 2205,4465 ; 2205,4465 2236,4465 ; 2236,4465 2347,4465 2347,4464.5 2363.5,4448 2363.5,4419.5 2369.7,4413.3
  Bottom Layer w25: R21.1@1968,4488 1968,4456.5 1994.87,4429.63 2008.86,4429.63 2026,4412.49 C26.2@2026,4349.4 ; C26.2@2022.06,4349.4 1908.4,4349.4 1797,4238 1797,4133 2003,3927 2003,3852 D22.A@2024,3831
USB_MCU_TYPEC_N: R9.1 U2.32 | length 343.8
  Bottom Layer w13: R9.1@3329.46,1807 3342.65,1820.19 3377.64,1820.19 3404.63,1847.17 3404.63,2076.18 3404.88,2076.43 U2.32@3404.88,2099.07
USB_MCU_TYPEC_P: R8.1 U2.33 | length 314.8
  Bottom Layer w13: R8.1@3329.46,1865 3342.65,1851.81 3357.42,1851.81 3365.23,1844 3376,1844 3386.63,1854.63 3386.63,2076.18 3386.38,2076.43 U2.33@3386.38,2099.07
USBIN_N: L4.A7 L4.B7 R9.2 | length 3441.8
  Bottom Layer w13: L4.B7@2257.55,4373.41 2257.55,4332.62 2265.17,4325 2296.76,4325 2297.76,4324 ; L4.A7@2296.92,4373.41 2297.52,4372.81 2297.52,4350.18 2297.76,4349.93 2297.76,4324 ; R9.2@3262.54,1807 3249.35,1820.19 3234.81,1820.19 3229,1826 3147.54,1826 2917.54,2056 2346.31,2056 2297.76,2104.54 2297.76,4324
USBIN_P: L4.A6 L4.B6 R7.2 R8.2 | length 3535.3
  Bottom Layer w13: L4.A6@2277.24,4373.41 2277.24,4413.38 2284.85,4421 2308.99,4421 2316.61,4413.38 L4.B6@2316.61,4373.41 2316.01,4372.81 2316.01,4350.18 2315.76,4349.93 2315.76,4324 2315.76,2112 2353.76,2074 2925,2074 3155,1844 3228,1844 3235.81,1851.81 3249.35,1851.81 R8.2@3262.54,1865 ; R8.2@3259.54,1874.54 R7.2@3259.54,1956
VCC_IN: C29.2 C30.2 L5.2 Q1.3 R10.2 R14.1 U3.5 | length 1436
  Bottom Layer w10: 2059,3080 2064.07,3074.93 R10.2@2164,3074.93
  Bottom Layer w25: U3.5@1538.69,3069.82 1538.69,3109.69 1564,3135 1710.46,3135 1770.36,3075.09 L5.2@1793,3075.09 1815.64,3075.09 1879.8,3010.93 C30.2@1973,3010.93 1974.74,3012.67 2057.26,3012.67 C29.2@2059,3014.4 2059,3080 2059,3087 1854,3292 1853,3292 1781,3364 1781,3482 1756.74,3506.26 Q1.3@1756.74,3594
pads on no net: D17.4 E1.0 K1.1 K1.2 L4.0 L4.4 L4.A8 L4.B8 SW1. SW2. SW3. SW4. SW5. SW6. SW7. SW8. SW9. SW10. SW11. SW12. SW13. SW14. SW15. SW16. SW17. U2.2 U2.3 U2.4 U2.18 U2.19 U2.20 U2.21 U2.22 U2.29 U3.6 X1.2 X1.4
copper on no net: | length 87.7
  Bottom Layer w10: 2218.18,4285.69 2218.18,4373.41

## Polygon pours and split planes (outlines as drawn)
GND on Top Layer "GND_L01_P012" (solid, remove dead copper, pour order 12): 3083,4629 3044,4668 711,4668 629,4586 629,670 690,609 3881,609 3881,625 3960,704 3950,714 3950,3208 3814,3344 3037,3344 2784,3597 2785,3598 2785,3760 2834,3809 3003,3809 3160,3966 3160,4548 3082,4626
RF_GND on Top Layer "RF_GND_L01_P010" (solid, remove dead copper, pour order 10): 3844.39,3860.6 ccw(c3821.7,3837.9) 3821.7,3870 3273.42,3870 ccw(c3273.42,3770) 3202.71,3840.71 3125,3763 cw(c3083.96,3804.04) 3083.96,3746 2825.31,3746 ccw(c2825.31,3718.69) 2806,3738 ccw(c2818.07,3725.93) 2801,3725.93 2801,3623 ccw(c2871.01,3693.01) 2871.01,3594 3789.54,3594 ccw(c3789.54,3655.46) 3833,3612 ccw(c3791.96,3653.04) 3850,3653.04 3850,3850 ccw(c3837.93,3850) 3846.46,3858.54 3844,3861
GND on Bottom Layer "GND_L02_P013" (solid, remove dead copper, pour order 13): 3083,4629 3044,4668 711,4668 629,4586 629,670 690,609 3881,609 3881,625 3960,704 3950,714 3950,3208 3814,3344 3037,3344 2784,3597 2785,3598 2785,3760 2834,3809 3003,3809 3160,3966 3160,4548 3082,4626
RF_GND on Bottom Layer "RF_GND_L02_P011" (solid, remove dead copper, pour order 11): 3273,3870 ccw(c3273,3771.02) 3203.01,3841.01 3125,3763 cw(c3083.96,3804.04) 3083.96,3746 2825,3746 ccw(c2825,3719.44) 2806.22,3738.22 2806,3738 ccw(c2818.07,3725.93) 2801,3725.93 2801,3624.41 ccw(c2804.41,3624.41) 2802,3622 ccw(c2869.6,3689.6) 2869.6,3594 3789.54,3594 ccw(c3789.54,3655.46) 3833,3612 ccw(c3791.96,3653.04) 3850,3653.04 3850,3850 ccw(c3837.93,3850) 3846.46,3858.54 3844,3861 ccw(c3822.27,3839.27) 3822.27,3870

## Keep-outs
Keep-Out Layer:
  the board outline again, w5.91

## Other copper
Top Layer:
  rectangle net GND: 987,4330 1253,4529

## Silkscreen, mask and mechanical layers (free items; w line width, h text height)
Top Overlay:
  circle w5.91: c1537,2287 r137.8
  circle w5.91: c1536.9,3787.77 r137.8
  circle w5.91: c2286,1536 r137.8
  lines w5.91: 929.58,837.43 1205.17,837.43 1205.17,1437.43 929.58,1437.43 929.58,837.43 ; 1869.58,837.43 2145.17,837.43 2145.17,1437.43 1869.58,1437.43 1869.58,837.43 ; 3137.37,925.67 3137.37,1201.26 3737.37,1201.26 3737.37,925.67 3137.37,925.67 ; 3137.37,1869.62 3737.37,1869.62 3737.37,2145.21 3137.37,2145.21 3137.37,1869.62 ; 3137.37,2429.63 3737.37,2429.63 3737.37,2705.22 3137.37,2705.22 3137.37,2429.63 ; 3137.37,3369.63 3737.37,3369.63 3737.37,3645.22 3137.37,3645.22 3137.37,3369.63
Bottom Overlay:
  lines w20: 1394,3650 1464,3650 ; 1428,3613 1428,3690
  text "Tx" at 3742,1772 h60
  text "Rx" at 3739,1678 h60
  text "D" at 3738,1573 h60
  text "G" at 3738,1494 h60
  text "3" at 3734,1310 h60
  text "C" at 3736,1220 h60
Top Solder:
  rectangle: 987,4330 1252,4529
Mechanical 1:
  drawing of 485 lines, arcs and shapes, not listed